# Altium PCB SDDDV1.2.PcbDoc (continued)
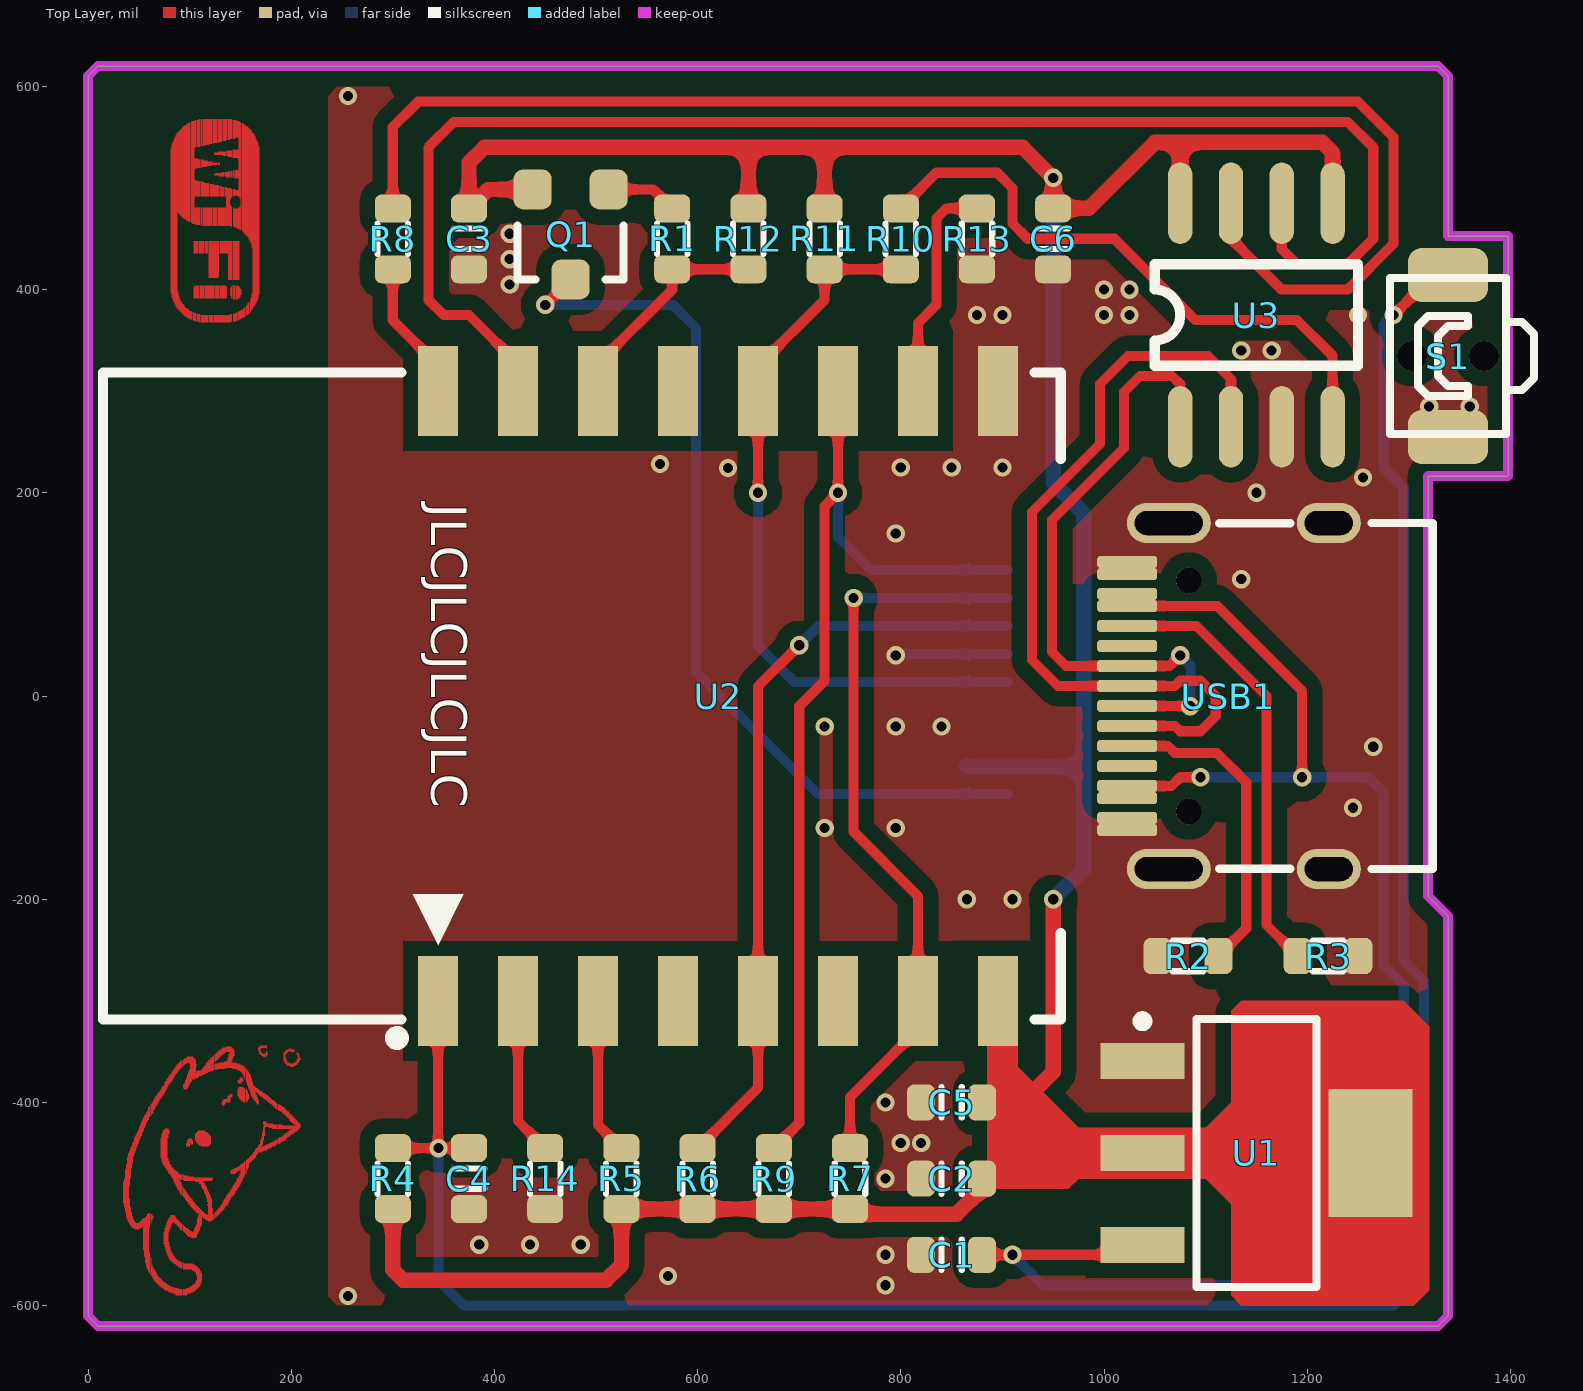
[diagram p0: Top Layer view]
## Nets (pads, with @x,y where several pads share a name; then routed paths per layer and width w, separated by ;. In a path a pad name is that pad's centre, name@x,y a point inside that pad or via, vN(x,y) a via of type N, cw(c..) or ccw(c..) an arc to the next point about the centre after c; other vN are vias at no path point) (continued)
  Top Layer w1: 35,-499 35,-481 ; 35,-480 35,-478 ; 36,-503 36,-475 ; 37,-508 37,-466 ; 38,-513 38,-461 ; 39,-516 39,-454 ; 40,-518 40,-450 ; 41,-520 41,-495 ; 41,-482 41,-448 ; 42,-521 42,-503 ; 42,-474 42,-445 ; 43,-523 43,-508 ; 43,-465 43,-443 ; 44,-523 44,-512 ; 44,-460 44,-440 ; 45,-524 45,-515 ; 45,-453 45,-438 ; 46,-524 46,-517 ; 46,-450 46,-435 ; 47,-525 47,-518 ; 47,-448 47,-433 ; 48,-525 48,-519 ; 48,-445 48,-431 ; 49,-525 49,-519 ; 49,-442 49,-429 ; 50,-525 50,-519 ; 50,-440 50,-427 ; 51,-524 51,-518 ; 51,-437 51,-424 ; 52,-524 52,-517 ; 52,-435 52,-422 ; 53,-523 53,-516 ; 53,-433 53,-419 ; 54,-523 54,-515 ; 54,-430 54,-417 ; 55,-545 55,-523 ; 55,-522 55,-514 ; 55,-428 55,-415 ; 56,-552 56,-514 ; 56,-425 56,-413 ; 57,-558 57,-513 ; 57,-423 57,-412 ; 58,-562 58,-512 ; 58,-420 58,-410 ; 59,-564 59,-510 ; 59,-418 59,-408 ; 60,-566 60,-538 ; 60,-537 60,-509 ; 60,-417 60,-405 ; 61,-568 61,-547 ; 61,-524 61,-509 ; 61,-414 61,-404 ; 62,-570 62,-553 ; 62,-519 62,-510 ; 62,-413 62,-402 ; 63,-571 63,-560 ; 63,-516 63,-510 ; 63,-411 63,-401 ; 64,-573 64,-562 ; 64,-514 64,-512 ; 64,-410 64,-399 ; 65,-575 65,-564 ; 65,-407 65,-397 ; 66,-576 66,-565 ; 66,-406 66,-395 ; 67,-577 67,-567 ; 67,-404 67,-394 ; 68,-578 68,-569 ; 68,-403 68,-393 ; 69,-579 69,-571 ; 69,-401 69,-391 ; 70,-580 70,-572 ; 70,-399 70,-390 ; 71,-581 71,-573 ; 71,-397 71,-389 ; 72,-582 72,-574 ; 72,-455 72,-435 ; 72,-396 72,-387 ; 73,-582 73,-575 ; 73,-458 73,-431 ; 73,-395 73,-385 ; 74,-583 74,-576 ; 74,-461 74,-428 ; 74,-393 74,-384 ; 75,-584 75,-577 ; 75,-539 75,-528 ; 75,-462 75,-427 ; 75,-392 75,-383 ; 76,-585 76,-578 ; 76,-542 76,-524 ; 76,-464 76,-426 ; 76,-390 76,-380 ; 77,-585 77,-578 ; 77,-546 77,-521 ; 77,-466 77,-426 ; 77,-388 77,-379 ; 78,-585 78,-579 ; 78,-549 78,-518 ; 78,-467 78,-426 ; 78,-386 78,-377 ; 79,-586 79,-580 ; 79,-551 79,-516 ; 79,-468 79,-455 ; 79,-435 79,-426 ; 79,-384 79,-376 ; 80,-587 80,-580 ; 80,-553 80,-538 ; 80,-528 80,-514 ; 80,-470 80,-458 ; 80,-431 80,-427 ; 80,-382 80,-374 ; 81,-587 81,-581 ; 81,-555 81,-542 ; 81,-525 81,-513 ; 81,-470 81,-461 ; 81,-381 81,-373 ; 81.71,396.72 81.71,538.72 ; 82,-587 82,-581 ; 82,-556 82,-546 ; 82,-522 82,-511 ; 82,-472 82,-462 ; 82,-380 82,-372 ; 82.71,392.72 82.71,543.72 ; 83,-588 83,-582 ; 83,-557 83,-548 ; 83,-519 83,-511 ; 83,-474 83,-464 ; 83,-379 83,-370 ; 83.71,389.72 83.71,545.72 ; 84,-588 84,-582 ; 84,-557 84,-550 ; 84,-518 84,-511 ; 84,-475 84,-465 ; 84,-377 84,-369 ; 84.71,387.72 84.71,547.72 ; 85,-588 85,-582 ; 85,-559 85,-551 ; 85,-518 85,-511 ; 85,-478 85,-466 ; 85,-375 85,-367 ; 85.71,385.72 85.71,549.72 ; 86,-589 86,-583 ; 86,-559 86,-553 ; 86,-519 86,-512 ; 86,-480 86,-467 ; 86,-374 86,-366 ; 86.71,383.72 86.71,551.72 ; 87,-590 87,-583 ; 87,-560 87,-554 ; 87,-520 87,-514 ; 87,-482 87,-468 ; 87,-372 87,-364 ; 87.71,381.72 87.71,553.72 ; 88,-590 88,-583 ; 88,-561 88,-555 ; 88,-521 88,-515 ; 88,-484 88,-468 ; 88,-371 88,-363 ; 88.71,380.72 88.71,397.72 ; 88.71,476.72 88.71,554.72 ; 89,-590 89,-583 ; 89,-561 89,-556 ; 89,-522 89,-516 ; 89,-486 89,-469 ; 89,-370 89,-362 ; 89.71,379.72 89.71,393.72 ; 89.71,474.72 89.71,555.72 ; 90,-590 90,-584 ; 90,-562 90,-556 ; 90,-523 90,-517 ; 90,-487 90,-470 ; 90,-368 90,-361 ; 90.71,378.72 90.71,390.72 ; 90.71,473.72 90.71,556.72 ; 91,-590 91,-584 ; 91,-562 91,-557 ; 91,-525 91,-518 ; 91,-489 91,-477 ; 91,-475 91,-471 ; 91,-367 91,-360 ; 91.71,377.72 91.71,388.72 ; 91.71,472.72 91.71,557.72 ; 92,-590 92,-584 ; 92,-563 92,-557 ; 92,-526 92,-519 ; 92,-491 92,-479 ; 92,-476 92,-471 ; 92,-366 92,-359 ; 92.71,376.72 92.71,386.72 ; 92.71,471.72 92.71,558.72 ; 93,-590 93,-584 ; 93,-563 93,-558 ; 93,-526 93,-520 ; 93,-492 93,-482 ; 93,-476 93,-471 ; 93,-365 93,-359 ; 93.71,375.72 93.71,385.72 ; 93.71,470.72 93.71,559.72 ; 94,-590 94,-584 ; 94,-564 94,-558 ; 94,-527 94,-521 ; 94,-493 94,-484 ; 94,-476 94,-471 ; 94,-386 94,-382 ; 94,-364 94,-358 ; 94.71,374.72 94.71,384.72 ; 94.71,469.72 94.71,560.72 ; 95,-590 95,-584 ; 95,-564 95,-559 ; 95,-528 95,-522 ; 95,-494 95,-485 ; 95,-477 95,-472 ; 95,-387 95,-381 ; 95,-363 95,-357 ; 95.71,373.72 95.71,382.72 ; 95.71,469.72 95.71,561.72 ; 96,-590 96,-584 ; 96,-564 96,-559 ; 96,-529 96,-523 ; 96,-496 96,-487 ; 96,-477 96,-472 ; 96,-387 96,-378 ; 96,-362 96,-357 ; 96.71,373.72 96.71,381.72 ; 96.71,468.72 96.71,561.72 ; 97,-590 97,-583 ; 97,-564 97,-559 ; 97,-530 97,-524 ; 97,-497 97,-488 ; 97,-477 97,-472 ; 97,-443 97,-440 ; 97,-387 97,-376 ; 97,-362 97,-356 ; 97.71,372.72 97.71,381.72 ; 97.71,467.72 97.71,562.72 ; 98,-589 98,-583 ; 98,-564 98,-559 ; 98,-531 98,-524 ; 98,-498 98,-490 ; 98,-477 98,-472 ; 98,-443 98,-437 ; 98,-386 98,-373 ; 98,-361 98,-355 ; 98.71,371.72 98.71,380.72 ; 98.71,467.72 98.71,563.72 ; 99,-588 99,-583 ; 99,-564 99,-559 ; 99,-532 99,-525 ; 99,-500 99,-491 ; 99,-477 99,-473 ; 99,-443 99,-436 ; 99,-384 99,-370 ; 99,-361 99,-355 ; 99.71,371.72 99.71,379.72 ; 99.71,466.72 99.71,563.72 ; 100,-588 100,-582 ; 100,-564 100,-559 ; 100,-532 100,-526 ; 100,-500 100,-493 ; 100,-477 100,-473 ; 100,-443 100,-441 ; 100,-440 100,-436 ; 100,-382 100,-368 ; 100,-362 100,-355 ; 100.71,370.72 100.71,378.72 ; 100.71,466.72 100.71,564.72 ; 101,-588 101,-581 ; 101,-564 101,-559 ; 101,-532 101,-527 ; 101,-502 101,-494 ; 101,-477 101,-473 ; 101,-441 101,-436 ; 101,-380 101,-355 ; 101.71,370.72 101.71,378.72 ; 101.71,465.72 101.71,564.72 ; 102,-587 102,-581 ; 102,-564 102,-559 ; 102,-533 102,-527 ; 102,-503 102,-495 ; 102,-477 102,-473 ; 102,-441 102,-436 ; 102,-379 102,-355 ; 102.71,370.72 102.71,377.72 ; 102.71,465.72 102.71,565.72 ; 103,-587 103,-580 ; 103,-565 103,-559 ; 103,-533 103,-528 ; 103,-504 103,-496 ; 103,-477 103,-473 ; 103,-441 103,-437 ; 103,-377 103,-355 ; 103.71,369.72 103.71,377.72 ; 103.71,464.72 103.71,565.72 ; 104,-586 104,-579 ; 104,-566 104,-560 ; 104,-533 104,-527 ; 104,-505 104,-498 ; 104,-477 104,-473 ; 104,-377 104,-356 ; 104.71,369.72 104.71,376.72 ; 104.71,391.72 104.71,402.72 ; 104.71,435.72 104.71,447.72 ; 104.71,464.72 104.71,565.72 ; 105,-586 105,-579 ; 105,-566 105,-560 ; 105,-533 105,-524 ; 105,-506 105,-499 ; 105,-477 105,-474 ; 105,-377 105,-357 ; 105.71,368.72 105.71,376.72 ; 105.71,391.72 105.71,403.72 ; 105.71,435.72 105.71,447.72 ; 105.71,464.72 105.71,480.72 ; 105.71,491.72 105.71,507.72 ; 105.71,518.72 105.71,528.72 ; 105.71,539.72 105.71,566.72 ; 106,-585 106,-577 ; 106,-567 106,-561 ; 106,-533 106,-522 ; 106,-507 106,-500 ; 106,-478 106,-474 ; 106,-437 106,-431 ; 106,-376 106,-371 ; 106,-370 106,-358 ; 106.71,368.72 106.71,376.72 ; 106.71,391.72 106.71,403.72 ; 106.71,435.72 106.71,447.72 ; 106.71,463.72 106.71,480.72 ; 106.71,491.72 106.71,507.72 ; 106.71,518.72 106.71,528.72 ; 106.71,540.72 106.71,566.72 ; 107,-584 107,-575 ; 107,-570 107,-561 ; 107,-532 107,-520 ; 107,-508 107,-501 ; 107,-478 107,-474 ; 107,-439 107,-430 ; 107,-376 107,-370 ; 107,-364 107,-363 ; 107.71,368.72 107.71,375.72 ; 107.71,391.72 107.71,403.72 ; 107.71,435.72 107.71,447.72 ; 107.71,463.72 107.71,480.72 ; 107.71,491.72 107.71,506.72 ; 107.71,519.72 107.71,528.72 ; 107.71,540.72 107.71,566.72 ; 108,-583 108,-562 ; 108,-530 108,-514 ; 108,-509 108,-502 ; 108,-478 108,-474 ; 108,-440 108,-429 ; 108,-375 108,-369 ; 108.71,368.72 108.71,375.72 ; 108.71,391.72 108.71,403.72 ; 108.71,435.72 108.71,447.72 ; 108.71,463.72 108.71,480.72 ; 108.71,491.72 108.71,506.72 ; 108.71,519.72 108.71,528.72 ; 108.71,540.72 108.71,566.72 ; 109,-582 109,-563 ; 109,-528 109,-511 ; 109,-509 109,-503 ; 109,-478 109,-474 ; 109,-441 109,-428 ; 109,-375 109,-369 ; 109.71,367.72 109.71,375.72 ; 109.71,391.72 109.71,403.72 ; 109.71,435.72 109.71,447.72 ; 109.71,463.72 109.71,480.72 ; 109.71,491.72 109.71,506.72 ; 109.71,519.72 109.71,527.72 ; 109.71,540.72 109.71,567.72 ; 110,-581 110,-564 ; 110,-526 110,-504 ; 110,-480 110,-474 ; 110,-442 110,-428 ; 110,-374 110,-369 ; 110.71,367.72 110.71,375.72 ; 110.71,391.72 110.71,403.72 ; 110.71,435.72 110.71,447.72 ; 110.71,463.72 110.71,480.72 ; 110.71,491.72 110.71,506.72 ; 110.71,519.72 110.71,527.72 ; 110.71,540.72 110.71,567.72 ; 111,-579 111,-566 ; 111,-523 111,-505 ; 111,-480 111,-474 ; 111,-442 111,-428 ; 111,-374 111,-369 ; 111.71,367.72 111.71,374.72 ; 111.71,391.72 111.71,403.72 ; 111.71,435.72 111.71,447.72 ; 111.71,462.72 111.71,480.72 ; 111.71,491.72 111.71,506.72 ; 111.71,519.72 111.71,527.72 ; 111.71,541.72 111.71,567.72 ; 112,-577 112,-568 ; 112,-521 112,-506 ; 112,-483 112,-474 ; 112,-443 112,-428 ; 112,-374 112,-368 ; 112.71,367.72 112.71,374.72 ; 112.71,391.72 112.71,403.72 ; 112.71,435.72 112.71,447.72 ; 112.71,462.72 112.71,480.72 ; 112.71,491.72 112.71,505.72 ; 112.71,520.72 112.71,527.72 ; 112.71,541.72 112.71,567.72 ; 113,-513 113,-507 ; 113,-485 113,-474 ; 113,-443 113,-428 ; 113,-373 113,-367 ; 113.71,367.72 113.71,374.72 ; 113.71,391.72 113.71,403.72 ; 113.71,435.72 113.71,447.72 ; 113.71,462.72 113.71,480.72 ; 113.71,491.72 113.71,505.72 ; 113.71,520.72 113.71,527.72 ; 113.71,541.72 113.71,567.72 ; 114,-514 114,-508 ; 114,-486 114,-479 ; 114,-477 114,-474 ; 114,-443 114,-428 ; 114,-373 114,-366 ; 114.71,367.72 114.71,374.72 ; 114.71,391.72 114.71,403.72 ; 114.71,435.72 114.71,447.72 ; 114.71,462.72 114.71,480.72 ; 114.71,491.72 114.71,505.72 ; 114.71,520.72 114.71,526.72 ; 114.71,541.72 114.71,567.72 ; 115,-514 115,-509 ; 115,-489 115,-480 ; 115,-477 115,-474 ; 115,-443 115,-428 ; 115,-372 115,-364 ; 115.71,367.72 115.71,374.72 ; 115.71,391.72 115.71,403.72 ; 115.71,435.72 115.71,447.72 ; 115.71,462.72 115.71,480.72 ; 115.71,491.72 115.71,504.72 ; 115.71,520.72 115.71,526.72 ; 115.71,542.72 115.71,567.72 ; 116,-515 116,-510 ; 116,-491 116,-482 ; 116,-477 116,-474 ; 116,-443 116,-429 ; 116,-372 116,-363 ; 116.71,367.72 116.71,374.72 ; 116.71,391.72 116.71,403.72 ; 116.71,435.72 116.71,447.72 ; 116.71,462.72 116.71,480.72 ; 116.71,491.72 116.71,504.72 ; 116.71,520.72 116.71,526.72 ; 116.71,542.72 116.71,567.72 ; 117,-516 117,-510 ; 117,-494 117,-483 ; 117,-477 117,-474 ; 117,-443 117,-430 ; 117,-371 117,-361 ; 117.71,367.72 117.71,374.72 ; 117.71,391.72 117.71,403.72 ; 117.71,435.72 117.71,447.72 ; 117.71,462.72 117.71,480.72 ; 117.71,491.72 117.71,504.72 ; 117.71,521.72 117.71,526.72 ; 117.71,542.72 117.71,567.72 ; 118,-516 118,-511 ; 118,-501 118,-500 ; 118,-498 118,-486 ; 118,-477 118,-474 ; 118,-443 118,-430 ; 118,-371 118,-360 ; 118.71,367.72 118.71,374.72 ; 118.71,391.72 118.71,403.72 ; 118.71,411.72 118.71,447.72 ; 118.71,462.72 118.71,480.72 ; 118.71,491.72 118.71,504.72 ; 118.71,521.72 118.71,525.72 ; 118.71,542.72 118.71,567.72 ; 119,-517 119,-488 ; 119,-477 119,-474 ; 119,-443 119,-431 ; 119,-370 119,-359 ; 119.71,367.72 119.71,374.72 ; 119.71,391.72 119.71,403.72 ; 119.71,411.72 119.71,447.72 ; 119.71,462.72 119.71,480.72 ; 119.71,491.72 119.71,503.72 ; 119.71,521.72 119.71,525.72 ; 119.71,543.72 119.71,567.72 ; 120,-517 120,-490 ; 120,-477 120,-474 ; 120,-442 120,-432 ; 120,-370 120,-358 ; 120.71,367.72 120.71,374.72 ; 120.71,391.72 120.71,403.72 ; 120.71,411.72 120.71,447.72 ; 120.71,462.72 120.71,480.72 ; 120.71,491.72 120.71,503.72 ; 120.71,521.72 120.71,525.72 ; 120.71,543.72 120.71,567.72 ; 121,-517 121,-492 ; 121,-477 121,-474 ; 121,-441 121,-434 ; 121,-369 121,-357 ; 121.71,367.72 121.71,374.72 ; 121.71,391.72 121.71,403.72 ; 121.71,411.72 121.71,447.72 ; 121.71,462.72 121.71,480.72 ; 121.71,491.72 121.71,503.72 ; 121.71,521.72 121.71,525.72 ; 121.71,543.72 121.71,567.72 ; 122,-516 122,-495 ; 122,-477 122,-474 ; 122,-369 122,-364 ; 122,-363 122,-356 ; 122.71,367.72 122.71,374.72 ; 122.71,391.72 122.71,403.72 ; 122.71,411.72 122.71,447.72 ; 122.71,462.72 122.71,480.72 ; 122.71,491.72 122.71,503.72 ; 122.71,522.72 122.71,525.72 ; 122.71,543.72 122.71,567.72 ; 123,-516 123,-510 ; 123,-509 123,-508 ; 123,-507 123,-504 ; 123,-476 123,-474 ; 123,-369 123,-363 ; 123,-362 123,-355 ; 123.71,367.72 123.71,374.72 ; 123.71,391.72 123.71,403.72 ; 123.71,411.72 123.71,447.72 ; 123.71,462.72 123.71,480.72 ; 123.71,491.72 123.71,503.72 ; 123.71,522.72 123.71,524.72 ; 123.71,544.72 123.71,567.72 ; 124,-515 124,-510 ; 124,-368 124,-362 ; 124,-361 124,-354 ; 124.71,367.72 124.71,374.72 ; 124.71,391.72 124.71,403.72 ; 124.71,411.72 124.71,447.72 ; 124.71,462.72 124.71,480.72 ; 124.71,491.72 124.71,502.72 ; 124.71,512.72 124.71,513.72 ; 124.71,522.72 124.71,524.72 ; 124.71,532.72 124.71,534.72 ; 124.71,544.72 124.71,567.72 ; 125,-514 125,-508 ; 125,-368 125,-362 ; 125,-360 125,-353 ; 125.71,367.72 125.71,374.72 ; 125.71,391.72 125.71,403.72 ; 125.71,411.72 125.71,447.72 ; 125.71,462.72 125.71,480.72 ; 125.71,491.72 125.71,502.72 ; 125.71,512.72 125.71,514.72 ; 125.71,522.72 125.71,524.72 ; 125.71,532.72 125.71,534.72 ; 125.71,544.72 125.71,567.72 ; 126,-513 126,-508 ; 126,-368 126,-362 ; 126,-359 126,-352 ; 126.71,367.72 126.71,374.72 ; 126.71,391.72 126.71,403.72 ; 126.71,411.72 126.71,447.72 ; 126.71,462.72 126.71,480.72 ; 126.71,491.72 126.71,502.72 ; 126.71,512.72 126.71,514.72 ; 126.71,522.72 126.71,524.72 ; 126.71,532.72 126.71,534.72 ; 126.71,544.72 126.71,567.72 ; 127,-512 127,-506 ; 127,-368 127,-362 ; 127,-358 127,-351 ; 127.71,367.72 127.71,374.72 ; 127.71,391.72 127.71,403.72 ; 127.71,411.72 127.71,447.72 ; 127.71,462.72 127.71,480.72 ; 127.71,491.72 127.71,502.72 ; 127.71,512.72 127.71,514.72 ; 127.71,522.72 127.71,524.72 ; 127.71,532.72 127.71,534.72 ; 127.71,544.72 127.71,567.72 ; 128,-511 128,-505 ; 128,-367 128,-362 ; 128,-357 128,-350 ; 128.71,367.72 128.71,374.72 ; 128.71,391.72 128.71,403.72 ; 128.71,412.72 128.71,447.72 ; 128.71,462.72 128.71,480.72 ; 128.71,491.72 128.71,502.72 ; 128.71,512.72 128.71,514.72 ; 128.71,522.72 128.71,524.72 ; 128.71,532.72 128.71,535.72 ; 128.71,545.72 128.71,567.72 ; 129,-510 129,-504 ; 129,-367 129,-361 ; 129,-356 129,-349 ; 129.71,367.72 129.71,374.72 ; 129.71,391.72 129.71,403.72 ; 129.71,435.72 129.71,447.72 ; 129.71,462.72 129.71,480.72 ; 129.71,491.72 129.71,501.72 ; 129.71,511.72 129.71,514.72 ; 129.71,522.72 129.71,524.72 ; 129.71,532.72 129.71,535.72 ; 129.71,545.72 129.71,567.72 ; 130,-509 130,-503 ; 130,-367 130,-361 ; 130,-355 130,-348 ; 130.71,367.72 130.71,374.72 ; 130.71,391.72 130.71,403.72 ; 130.71,435.72 130.71,447.72 ; 130.71,462.72 130.71,480.72 ; 130.71,491.72 130.71,501.72 ; 130.71,511.72 130.71,514.72 ; 130.71,532.72 130.71,535.72 ; 130.71,545.72 130.71,567.72 ; 131,-508 131,-501 ; 131,-367 131,-361 ; 131,-354 131,-348 ; 131.71,367.72 131.71,374.72 ; 131.71,391.72 131.71,403.72 ; 131.71,435.72 131.71,447.72 ; 131.71,462.72 131.71,480.72 ; 131.71,491.72 131.71,501.72 ; 131.71,511.72 131.71,514.72 ; 131.71,532.72 131.71,535.72 ; 131.71,545.72 131.71,567.72 ; 132,-507 132,-500 ; 132,-402 132,-400 ; 132,-367 132,-361 ; 132,-353 132,-347 ; 132.71,367.72 132.71,374.72 ; 132.71,391.72 132.71,403.72 ; 132.71,435.72 132.71,447.72 ; 132.71,462.72 132.71,480.72 ; 132.71,491.72 132.71,500.72 ; 132.71,511.72 132.71,515.72 ; 132.71,532.72 132.71,535.72 ; 132.71,546.72 132.71,567.72 ; 133,-506 133,-498 ; 133,-403 133,-398 ; 133,-367 133,-361 ; 133,-352 133,-346 ; 133.71,367.72 133.71,374.72 ; 133.71,391.72 133.71,403.72 ; 133.71,435.72 133.71,447.72 ; 133.71,462.72 133.71,480.72 ; 133.71,491.72 133.71,500.72 ; 133.71,511.72 133.71,515.72 ; 133.71,531.72 133.71,535.72 ; 133.71,546.72 133.71,567.72 ; 134,-505 134,-496 ; 134,-403 134,-397 ; 134,-367 134,-360 ; 134,-352 134,-346 ; 134.71,367.72 134.71,374.72 ; 134.71,391.72 134.71,403.72 ; 134.71,435.72 134.71,447.72 ; 134.71,462.72 134.71,480.72 ; 134.71,491.72 134.71,500.72 ; 134.71,511.72 134.71,515.72 ; 134.71,531.72 134.71,535.72 ; 134.71,546.72 134.71,567.72 ; 135,-503 135,-495 ; 135,-402 135,-397 ; 135,-367 135,-360 ; 135,-351 135,-346 ; 135.71,367.72 135.71,374.72 ; 135.71,391.72 135.71,403.72 ; 135.71,435.72 135.71,447.72 ; 135.71,462.72 135.71,480.72 ; 135.71,491.72 135.71,500.72 ; 135.71,511.72 135.71,515.72 ; 135.71,531.72 135.71,535.72 ; 135.71,546.72 135.71,567.72 ; 136,-502 136,-493 ; 136,-400 136,-397 ; 136,-366 136,-360 ; 136,-350 136,-345 ; 136.71,367.72 136.71,374.72 ; 136.71,391.72 136.71,402.72 ; 136.71,435.72 136.71,447.72 ; 136.71,462.72 136.71,500.72 ; 136.71,510.72 136.71,515.72 ; 136.71,531.72 136.71,536.72 ; 136.71,547.72 136.71,567.72 ; 137,-501 137,-491 ; 137,-400 137,-397 ; 137,-366 137,-359 ; 137,-350 137,-345 ; 137.71,367.72 137.71,374.72 ; 137.71,435.72 137.71,447.72 ; 137.71,462.72 137.71,499.72 ; 137.71,510.72 137.71,515.72 ; 137.71,531.72 137.71,536.72 ; 137.71,547.72 137.71,567.72 ; 138,-500 138,-490 ; 138,-400 138,-394 ; 138,-366 138,-356 ; 138,-350 138,-345 ; 138.71,367.72 138.71,374.72 ; 138.71,409.72 138.71,447.72 ; 138.71,462.72 138.71,499.72 ; 138.71,510.72 138.71,516.72 ; 138.71,530.72 138.71,536.72 ; 138.71,547.72 138.71,567.72 ; 139,-498 139,-489 ; 139,-400 139,-393 ; 139,-366 139,-352 ; 139,-350 139,-345 ; 139.71,367.72 139.71,374.72 ; 139.71,409.72 139.71,447.72 ; 139.71,462.72 139.71,499.72 ; 139.71,510.72 139.71,516.72 ; 139.71,530.72 139.71,536.72 ; 139.71,547.72 139.71,567.72 ; 140,-496 140,-487 ; 140,-400 140,-392 ; 140,-366 140,-345 ; 140.71,367.72 140.71,375.72 ; 140.71,393.72 140.71,400.72 ; 140.71,409.72 140.71,447.72 ; 140.71,462.72 140.71,483.72 ; 140.71,488.72 140.71,499.72 ; 140.71,510.72 140.71,516.72 ; 140.71,530.72 140.71,536.72 ; 140.71,548.72 140.71,567.72 ; 141,-494 141,-486 ; 141,-470 141,-467 ; 141,-395 141,-392 ; 141,-366 141,-345 ; 141.71,368.72 141.71,375.72 ; 141.71,391.72 141.71,402.72 ; 141.71,409.72 141.71,447.72 ; 141.71,461.72 141.71,481.72 ; 141.71,490.72 141.71,498.72 ; 141.71,510.72 141.71,516.72 ; 141.71,530.72 141.71,536.72 ; 141.71,548.72 141.71,567.72 ; 142,-493 142,-484 ; 142,-470 142,-467 ; 142,-395 142,-392 ; 142,-366 142,-361 ; 142,-359 142,-346 ; 142.71,368.72 142.71,375.72 ; 142.71,390.72 142.71,403.72 ; 142.71,409.72 142.71,447.72 ; 142.71,461.72 142.71,480.72 ; 142.71,491.72 142.71,498.72 ; 142.71,510.72 142.71,516.72 ; 142.71,529.72 142.71,537.72 ; 142.71,548.72 142.71,566.72 ; 143,-492 143,-482 ; 143,-470 143,-466 ; 143,-367 143,-361 ; 143,-356 143,-347 ; 143.71,368.72 143.71,375.72 ; 143.71,390.72 143.71,403.72 ; 143.71,409.72 143.71,447.72 ; 143.71,461.72 143.71,479.72 ; 143.71,491.72 143.71,498.72 ; 143.71,509.72 143.71,517.72 ; 143.71,529.72 143.71,537.72 ; 143.71,548.72 143.71,566.72 ; 144,-491 144,-481 ; 144,-470 144,-466 ; 144,-367 144,-361 ; 144,-354 144,-348 ; 144.71,368.72 144.71,376.72 ; 144.71,390.72 144.71,403.72 ; 144.71,409.72 144.71,447.72 ; 144.71,461.72 144.71,479.72 ; 144.71,492.72 144.71,498.72 ; 144.71,509.72 144.71,517.72 ; 144.71,529.72 144.71,537.72 ; 144.71,548.72 144.71,566.72 ; 145,-489 145,-479 ; 145,-470 145,-465 ; 145,-367 145,-361 ; 145.71,368.72 145.71,376.72 ; 145.71,390.72 145.71,403.72 ; 145.71,409.72 145.71,447.72 ; 145.71,460.72 145.71,479.72 ; 145.71,492.72 145.71,497.72 ; 145.71,509.72 145.71,517.72 ; 145.71,529.72 145.71,537.72 ; 145.71,549.72 145.71,566.72 ; 146,-487 146,-478 ; 146,-469 146,-465 ; 146,-367 146,-361 ; 146.71,369.72 146.71,377.72 ; 146.71,390.72 146.71,403.72 ; 146.71,409.72 146.71,447.72 ; 146.71,460.72 146.71,479.72 ; 146.71,492.72 146.71,497.72 ; 146.71,509.72 146.71,517.72 ; 146.71,529.72 146.71,537.72 ; 146.71,549.72 146.71,565.72 ; 147,-486 147,-475 ; 147,-468 147,-464 ; 147,-368 147,-362 ; 147.71,369.72 147.71,377.72 ; 147.71,390.72 147.71,403.72 ; 147.71,409.72 147.71,447.72 ; 147.71,459.72 147.71,479.72 ; 147.71,491.72 147.71,497.72 ; 147.71,509.72 147.71,517.72 ; 147.71,528.72 147.71,537.72 ; 147.71,549.72 147.71,565.72 ; 148,-484 148,-474 ; 148,-468 148,-464 ; 148,-394 148,-387 ; 148,-380 148,-378 ; 148,-368 148,-362 ; 148.71,370.72 148.71,378.72 ; 148.71,391.72 148.71,402.72 ; 148.71,409.72 148.71,447.72 ; 148.71,459.72 148.71,480.72 ; 148.71,491.72 148.71,565.72 ; 149,-483 149,-472 ; 149,-467 149,-463 ; 149,-396 149,-385 ; 149,-381 149,-378 ; 149,-369 149,-362 ; 149.71,370.72 149.71,378.72 ; 149.71,392.72 149.71,401.72 ; 149.71,458.72 149.71,481.72 ; 149.71,489.72 149.71,564.72 ; 150,-481 150,-470 ; 150,-467 150,-462 ; 150,-397 150,-385 ; 150,-381 150,-376 ; 150,-369 150,-363 ; 150.71,371.72 150.71,379.72 ; 150.71,394.72 150.71,399.72 ; 150.71,458.72 150.71,563.72 ; 151,-479 151,-467 ; 151,-466 151,-461 ; 151,-398 151,-385 ; 151,-381 151,-375 ; 151,-370 151,-363 ; 151.71,371.72 151.71,379.72 ; 151.71,457.72 151.71,563.72 ; 152,-477 152,-461 ; 152,-399 152,-385 ; 152,-379 152,-375 ; 152,-371 152,-364 ; 152.71,372.72 152.71,380.72 ; 152.71,456.72 152.71,562.72 ; 153,-475 153,-460 ; 153,-399 153,-385 ; 153,-379 153,-377 ; 153,-373 153,-364 ; 153.71,372.72 153.71,381.72 ; 153.71,455.72 153.71,562.72 ; 154,-473 154,-459 ; 154,-400 154,-386 ; 154,-375 154,-365 ; 154.71,373.72 154.71,382.72 ; 154.71,454.72 154.71,561.72 ; 155,-471 155,-458 ; 155,-400 155,-387 ; 155,-377 155,-366 ; 155.71,374.72 155.71,383.72 ; 155.71,453.72 155.71,560.72 ; 156,-469 156,-457 ; 156,-399 156,-387 ; 156,-380 156,-367 ; 156.71,375.72 156.71,384.72 ; 156.71,452.72 156.71,560.72 ; 157,-466 157,-456 ; 157,-399 157,-389 ; 157,-383 157,-369 ; 157.71,375.72 157.71,386.72 ; 157.71,451.72 157.71,559.72 ; 158,-464 158,-455 ; 158,-397 158,-392 ; 158,-386 158,-370 ; 158.71,376.72 158.71,387.72 ; 158.71,449.72 158.71,558.72 ; 159,-460 159,-454 ; 159,-388 159,-372 ; 159.71,377.72 159.71,389.72 ; 159.71,447.72 159.71,557.72 ; 160,-459 160,-453 ; 160,-391 160,-373 ; 160.71,379.72 160.71,391.72 ; 160.71,445.72 160.71,556.72 ; 161,-458 161,-452 ; 161,-394 161,-376 ; 161.71,380.72 161.71,395.72 ; 161.71,441.72 161.71,554.72 ; 162,-457 162,-451 ; 162,-395 162,-380 ; 162.71,381.72 162.71,553.72 ; 163,-456 163,-449 ; 163,-397 163,-383 ; 163.71,383.72 163.71,552.72 ; 164,-455 164,-448 ; 164,-398 164,-384 ; 164.71,384.72 164.71,550.72 ; 165,-454 165,-446 ; 165,-399 165,-390 ; 165,-389 165,-385 ; 165.71,386.72 165.71,548.72 ; 166,-452 166,-445 ; 166,-401 166,-393 ; 166,-390 166,-386 ; 166.71,388.72 166.71,546.72 ; 167,-451 167,-444 ; 167,-402 167,-395 ; 167,-391 167,-386 ; 167.71,390.72 167.71,544.72 ; 168,-449 168,-442 ; 168,-402 168,-398 ; 168,-392 168,-387 ; 168,-349 168,-346 ; 168.71,394.72 168.71,540.72 ; 169,-449 169,-441 ; 169,-393 169,-388 ; 169,-352 169,-345 ; 170,-449 170,-437 ; 170,-394 170,-389 ; 170,-353 170,-349 ; 170,-347 170,-344 ; 171,-449 171,-444 ; 171,-443 171,-435 ; 171,-394 171,-389 ; 171,-354 171,-351 ; 171,-346 171,-344 ; 172,-448 172,-444 ; 172,-442 172,-429 ; 172,-395 172,-390 ; 172,-354 172,-352 ; 172,-346 172,-344 ; 173,-448 173,-443 ; 173,-437 173,-424 ; 173,-422 173,-419 ; 173,-396 173,-391 ; 173,-355 173,-352 ; 173,-346 173,-344 ; 174,-447 174,-443 ; 174,-433 174,-419 ; 174,-397 174,-391 ; 174,-355 174,-352 ; 174,-346 174,-344 ; 175,-447 175,-442 ; 175,-424 175,-419 ; 175,-397 175,-392 ; 175,-355 175,-352 ; 175,-346 175,-344 ; 176,-447 176,-442 ; 176,-424 176,-420 ; 176,-398 176,-393 ; 176,-354 176,-350 ; 176,-347 176,-344 ; 177,-446 177,-441 ; 177,-424 177,-421 ; 177,-399 177,-393 ; 177,-353 177,-350 ; 178,-445 178,-441 ; 178,-424 178,-421 ; 178,-400 178,-394 ; 179,-445 179,-440 ; 179,-425 179,-421 ; 179,-401 179,-395 ; 180,-445 180,-440 ; 180,-425 180,-421 ; 180,-401 180,-396 ; 181,-444 181,-439 ; 181,-425 181,-421 ; 181,-402 181,-397 ; 182,-443 182,-439 ; 182,-426 182,-421 ; 182,-403 182,-398 ; 183,-443 183,-439 ; 183,-426 183,-422 ; 183,-404 183,-398 ; 184,-443 184,-438 ; 184,-426 184,-422 ; 184,-405 184,-399 ; 185,-442 185,-437 ; 185,-426 185,-422 ; 185,-406 185,-400 ; 186,-441 186,-437 ; 186,-426 186,-422 ; 186,-406 186,-401 ; 187,-441 187,-436 ; 187,-426 187,-422 ; 187,-407 187,-402 ; 188,-440 188,-435 ; 188,-426 188,-422 ; 188,-408 188,-402 ; 189,-440 189,-435 ; 189,-426 189,-422 ; 189,-408 189,-403 ; 190,-439 190,-435 ; 190,-426 190,-422 ; 190,-409 190,-403 ; 191,-438 191,-434 ; 191,-426 191,-422 ; 191,-409 191,-404 ; 192,-438 192,-433 ; 192,-426 192,-423 ; 192,-411 192,-405 ; 193,-438 193,-432 ; 193,-426 193,-423 ; 193,-411 193,-405 ; 193,-359 193,-351 ; 194,-437 194,-431 ; 194,-426 194,-423 ; 194,-412 194,-406 ; 194,-361 194,-350 ; 195,-436 195,-431 ; 195,-426 195,-423 ; 195,-413 195,-407 ; 195,-362 195,-357 ; 195,-352 195,-349 ; 196,-435 196,-430 ; 196,-426 196,-423 ; 196,-414 196,-408 ; 196,-363 196,-360 ; 196,-351 196,-348 ; 197,-434 197,-429 ; 197,-426 197,-423 ; 197,-415 197,-409 ; 197,-364 197,-361 ; 197,-350 197,-348 ; 198,-434 198,-428 ; 198,-426 198,-423 ; 198,-416 198,-409 ; 198,-364 198,-361 ; 198,-349 198,-347 ; 199,-433 199,-427 ; 199,-426 199,-423 ; 199,-418 199,-411 ; 199,-364 199,-362 ; 199,-349 199,-347 ; 200,-432 200,-427 ; 200,-426 200,-423 ; 200,-419 200,-412 ; 200,-365 200,-362 ; 200,-350 200,-347 ; 201,-431 201,-423 ; 201,-420 201,-413 ; 201,-365 201,-362 ; 201,-350 201,-348 ; 202,-431 202,-423 ; 202,-421 202,-414 ; 202,-365 202,-362 ; 202,-350 202,-348 ; 203,-430 203,-423 ; 203,-421 203,-415 ; 203,-364 203,-361 ; 203,-350 203,-348 ; 204,-429 204,-423 ; 204,-422 204,-416 ; 204,-364 204,-361 ; 205,-429 205,-417 ; 205,-363 205,-360 ; 206,-428 206,-418 ; 206,-363 206,-358 ; 206,-353 206,-351 ; 207,-427 207,-419 ; 207,-361 207,-356 ; 207,-355 207,-351 ; 208,-426 208,-420 ; 208,-360 208,-356 ; 208,-355 208,-353 ; 209,-425 209,-421 ; 209,-358 209,-356
  other v2: 1303.15,334.65 1374.02,334.65

## Polygon pours and split planes (outlines as drawn)
GND on Bottom Layer "GND_L02_P000" (solid, remove dead copper, pour order 0): 236.22,590.55 275.59,629.92 1377.95,629.92 1397.64,610.24 1397.64,-610.24 1377.95,-629.92 275.59,-629.92 236.22,-590.55
GND on Top Layer "GND_L01_P001" (solid, remove dead copper, pour order 1): 236.22,590.55 275.59,629.92 1377.95,629.92 1397.64,610.24 1397.64,-610.24 1377.95,-629.92 275.59,-629.92 236.22,-590.55

## Keep-outs
Keep-Out Layer:
  the board outline again, w10

## Other copper
Top Layer:
  pour cut-out: 1094.13,-573.27 1107.29,-573.27 1113.26,-579.24 1115,-577.5 1115,-560 1090,-560 1090,-569.13
  region net 3V3: 885,-480 890,-485 965,-485 975,-475 1100,-475 1125,-500 1125,-590 1135,-600 1305,-600 1320,-585 1320,-325 1295,-300 1135,-300 1125,-310 1125,-400 1100,-425 975,-425 915,-365 915,-335 885,-335

## Silkscreen, mask and mechanical layers (free items; w line width, h text height)
Top Overlay:
  text "JLCJLCJLCJLC" at 325.8,189.2 h60 r270
Top Solder:
  region: 0,-610.24 9.84,-620.08 216.54,-620.08 216.54,620.08 9.84,620.08 0,610.24
Bottom Solder:
  region: 0,610.24 9.84,620.08 216.54,620.08 216.54,-620.08 9.84,-620.08 0,-610.24
  text "RES" at 1239.68,386.51 h60 r90
  text "SD³" at 389.44,117.22 h200 r270
  text "V1.2" at 486.44,10.28 h50 r270
  text "PCB Designed by Chu Xin" at 319.66,-350.11 h95 r270
  text "初心工作室" at 385.85,-362.82 h90 r270
Mechanical 1:
  the board outline again, w10

## Text inside footprints (layer, text, board x,y; h text height)
LCD1: Bottom Overlay "12" at 930.71,199.47 h60 r270; Bottom Overlay "1" at 930.71,-227.08 h60 r270